# KiCad board Layer0.kicad_pcb (continued)
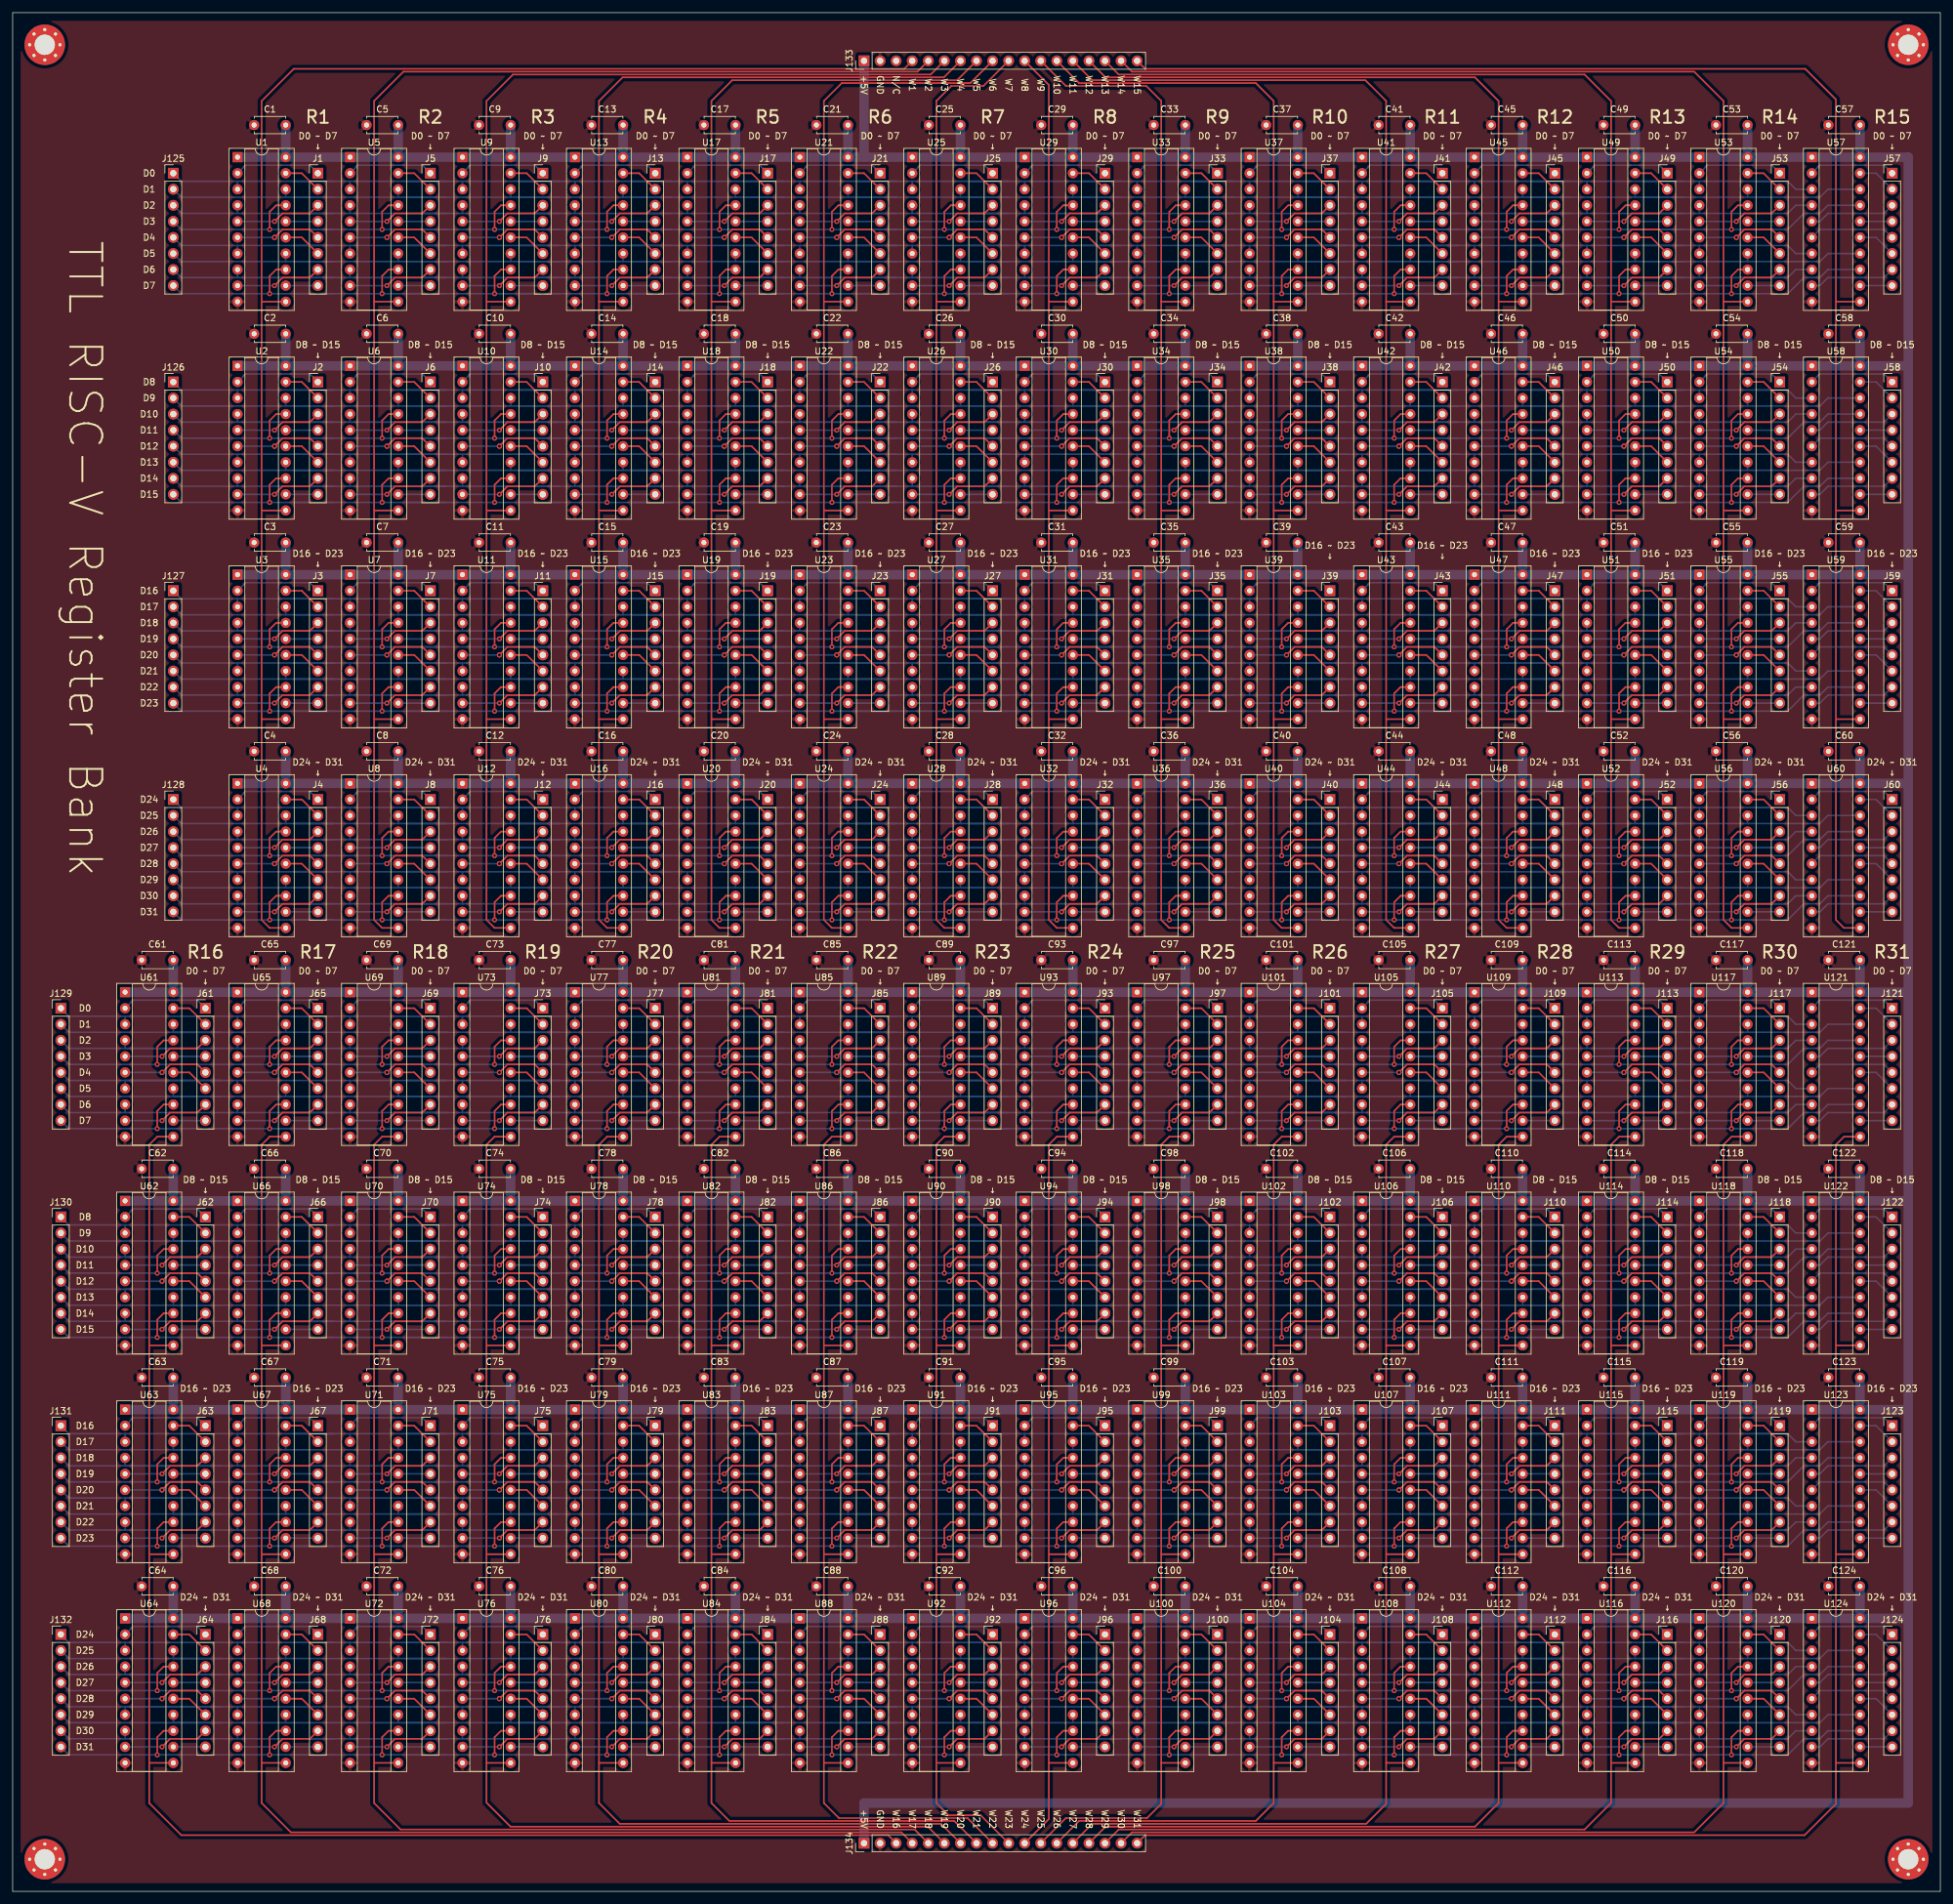
[diagram p0: board, top side]
## Routing (per net, layer and track width the routed paths; a pad name or vN(x,y) marks a point on that pad's centre or on a via; arc(x,y) is an arc through that point) (continued)
  Bottom w0.25: J42.4 U42.16
Net-(J42-Pad5): length 13.8
  Top w0.25: J42.5 224.79,229.87 220.47,229.87 v1(219.2,228.6)
  Bottom w0.25: U42.6 v1(219.2,228.6)
Net-(J42-Pad6): length 6.1
  Top w0.25: U42.15 223.52,228.6 J42.6
Net-(J42-Pad7): length 13.8
  Top w0.25: J42.7 224.79,222.25 220.47,222.25 v1(219.2,220.98)
  Bottom w0.25: U42.9 v1(219.2,220.98)
Net-(J42-Pad8): length 5.1
  Bottom w0.25: U42.12 J42.8
Net-(J43-Pad1): length 13.8
  Bottom w0.25: J43.1 224.79,207.01 214.63,207.01 U43.2
Net-(J43-Pad2): length 6.1
  Top w0.25: J43.2 223.52,205.74 U43.19
Net-(J43-Pad3): length 13.8
  Top w0.25: J43.3 224.79,199.39 220.47,199.39 v1(219.2,198.12)
  Bottom w0.25: U43.5 v1(219.2,198.12)
Net-(J43-Pad4): length 5.1
  Bottom w0.25: J43.4 U43.16
Net-(J43-Pad5): length 13.8
  Top w0.25: J43.5 224.79,196.85 220.47,196.85 v1(219.2,195.58)
  Bottom w0.25: U43.6 v1(219.2,195.58)
Net-(J43-Pad6): length 6.1
  Top w0.25: U43.15 223.52,195.58 J43.6
Net-(J43-Pad7): length 13.8
  Top w0.25: J43.7 224.79,189.23 220.47,189.23 v1(219.2,187.96)
  Bottom w0.25: U43.9 v1(219.2,187.96)
Net-(J43-Pad8): length 5.1
  Bottom w0.25: U43.12 J43.8
Net-(J44-Pad1): length 13.8
  Bottom w0.25: J44.1 224.79,173.99 214.63,173.99 U44.2
Net-(J44-Pad2): length 6.1
  Top w0.25: J44.2 223.52,172.72 U44.19
Net-(J44-Pad3): length 13.8
  Top w0.25: J44.3 224.79,166.37 220.47,166.37 v1(219.2,165.1)
  Bottom w0.25: U44.5 v1(219.2,165.1)
Net-(J44-Pad4): length 5.1
  Bottom w0.25: J44.4 U44.16
Net-(J44-Pad5): length 13.8
  Top w0.25: J44.5 224.79,163.83 220.47,163.83 v1(219.2,162.56)
  Bottom w0.25: U44.6 v1(219.2,162.56)
Net-(J44-Pad6): length 6.1
  Top w0.25: U44.15 223.52,162.56 J44.6
Net-(J44-Pad7): length 13.8
  Top w0.25: J44.7 224.79,156.21 220.47,156.21 v1(219.2,154.94)
  Bottom w0.25: U44.9 v1(219.2,154.94)
Net-(J44-Pad8): length 5.1
  Bottom w0.25: U44.12 J44.8
Net-(J45-Pad1): length 13.8
  Bottom w0.25: U45.2 232.41,273.05 242.57,273.05 J45.1
Net-(J45-Pad2): length 6.1
  Top w0.25: J45.2 241.3,271.78 U45.19
Net-(J45-Pad3): length 13.8
  Top w0.25: J45.3 242.57,265.43 238.25,265.43 v1(236.98,264.16)
  Bottom w0.25: U45.5 v1(236.98,264.16)
Net-(J45-Pad4): length 5.1
  Bottom w0.25: J45.4 U45.16
Net-(J45-Pad5): length 13.8
  Top w0.25: J45.5 242.57,262.89 238.25,262.89 v1(236.98,261.62)
  Bottom w0.25: U45.6 v1(236.98,261.62)
Net-(J45-Pad6): length 6.1
  Top w0.25: U45.15 241.3,261.62 J45.6
Net-(J45-Pad7): length 13.8
  Top w0.25: J45.7 242.57,255.27 238.25,255.27 v1(236.98,254)
  Bottom w0.25: U45.9 v1(236.98,254)
Net-(J45-Pad8): length 5.1
  Bottom w0.25: U45.12 J45.8
Net-(J46-Pad1): length 13.8
  Bottom w0.25: U46.2 232.41,240.03 242.57,240.03 J46.1
Net-(J46-Pad2): length 6.1
  Top w0.25: J46.2 241.3,238.76 U46.19
Net-(J46-Pad3): length 13.8
  Top w0.25: v1(236.98,231.14) 238.25,232.41 242.57,232.41 J46.3
  Bottom w0.25: U46.5 v1(236.98,231.14)
Net-(J46-Pad4): length 5.1
  Bottom w0.25: J46.4 U46.16
Net-(J46-Pad5): length 13.8
  Top w0.25: J46.5 242.57,229.87 238.25,229.87 v1(236.98,228.6)
  Bottom w0.25: U46.6 v1(236.98,228.6)
Net-(J46-Pad6): length 6.1
  Top w0.25: U46.15 241.3,228.6 J46.6
Net-(J46-Pad7): length 13.8
  Top w0.25: J46.7 242.57,222.25 238.25,222.25 v1(236.98,220.98)
  Bottom w0.25: U46.9 v1(236.98,220.98)
Net-(J46-Pad8): length 5.1
  Bottom w0.25: U46.12 J46.8
Net-(J47-Pad1): length 13.8
  Bottom w0.25: U47.2 232.41,207.01 242.57,207.01 J47.1
Net-(J47-Pad2): length 6.1
  Top w0.25: J47.2 241.3,205.74 U47.19
Net-(J47-Pad3): length 13.8
  Top w0.25: v1(236.98,198.12) 238.25,199.39 242.57,199.39 J47.3
  Bottom w0.25: U47.5 v1(236.98,198.12)
Net-(J47-Pad4): length 5.1
  Bottom w0.25: J47.4 U47.16
Net-(J47-Pad5): length 13.8
  Top w0.25: J47.5 242.57,196.85 238.25,196.85 v1(236.98,195.58)
  Bottom w0.25: U47.6 v1(236.98,195.58)
Net-(J47-Pad6): length 6.1
  Top w0.25: U47.15 241.3,195.58 J47.6
Net-(J47-Pad7): length 13.8
  Top w0.25: J47.7 242.57,189.23 238.25,189.23 v1(236.98,187.96)
  Bottom w0.25: U47.9 v1(236.98,187.96)
Net-(J47-Pad8): length 5.1
  Bottom w0.25: U47.12 J47.8
Net-(J48-Pad1): length 13.8
  Bottom w0.25: U48.2 232.41,173.99 242.57,173.99 J48.1
Net-(J48-Pad2): length 6.1
  Top w0.25: J48.2 241.3,172.72 U48.19
Net-(J48-Pad3): length 13.8
  Top w0.25: v1(236.98,165.1) 238.25,166.37 242.57,166.37 J48.3
  Bottom w0.25: U48.5 v1(236.98,165.1)
Net-(J48-Pad4): length 5.1
  Bottom w0.25: J48.4 U48.16
Net-(J48-Pad5): length 13.8
  Top w0.25: J48.5 242.57,163.83 238.25,163.83 v1(236.98,162.56)
  Bottom w0.25: U48.6 v1(236.98,162.56)
Net-(J48-Pad6): length 6.1
  Top w0.25: U48.15 241.3,162.56 J48.6
Net-(J48-Pad7): length 13.8
  Top w0.25: J48.7 242.57,156.21 238.25,156.21 v1(236.98,154.94)
  Bottom w0.25: U48.9 v1(236.98,154.94)
Net-(J48-Pad8): length 5.1
  Bottom w0.25: U48.12 J48.8
Net-(J49-Pad1): length 13.8
  Bottom w0.25: J49.1 260.35,273.05 250.19,273.05 U49.2
Net-(J49-Pad2): length 6.1
  Top w0.25: J49.2 259.08,271.78 U49.19
Net-(J49-Pad3): length 13.8
  Top w0.25: J49.3 260.35,265.43 256.03,265.43 v1(254.76,264.16)
  Bottom w0.25: U49.5 v1(254.76,264.16)
Net-(J49-Pad4): length 5.1
  Bottom w0.25: J49.4 U49.16
Net-(J49-Pad5): length 13.8
  Top w0.25: v1(254.76,261.62) 256.03,262.89 260.35,262.89 J49.5
  Bottom w0.25: U49.6 v1(254.76,261.62)
Net-(J49-Pad6): length 6.1
  Top w0.25: U49.15 259.08,261.62 J49.6
Net-(J49-Pad7): length 13.8
  Top w0.25: v1(254.76,254) 256.03,255.27 260.35,255.27 J49.7
  Bottom w0.25: U49.9 v1(254.76,254)
Net-(J49-Pad8): length 5.1
  Bottom w0.25: U49.12 J49.8
Net-(J50-Pad1): length 13.8
  Bottom w0.25: J50.1 260.35,240.03 250.19,240.03 U50.2
Net-(J50-Pad2): length 6.1
  Top w0.25: J50.2 259.08,238.76 U50.19
Net-(J50-Pad3): length 13.8
  Top w0.25: v1(254.76,231.14) 256.03,232.41 260.35,232.41 J50.3
  Bottom w0.25: U50.5 v1(254.76,231.14)
Net-(J50-Pad4): length 5.1
  Bottom w0.25: J50.4 U50.16
Net-(J50-Pad5): length 13.8
  Top w0.25: J50.5 260.35,229.87 256.03,229.87 v1(254.76,228.6)
  Bottom w0.25: U50.6 v1(254.76,228.6)
Net-(J50-Pad6): length 6.1
  Top w0.25: U50.15 259.08,228.6 J50.6
Net-(J50-Pad7): length 13.8
  Top w0.25: v1(254.76,220.98) 256.03,222.25 260.35,222.25 J50.7
  Bottom w0.25: U50.9 v1(254.76,220.98)
Net-(J50-Pad8): length 5.1
  Bottom w0.25: U50.12 J50.8
Net-(J51-Pad1): length 13.8
  Bottom w0.25: J51.1 260.35,207.01 250.19,207.01 U51.2
Net-(J51-Pad2): length 6.1
  Top w0.25: J51.2 259.08,205.74 U51.19
Net-(J51-Pad3): length 13.8
  Top w0.25: v1(254.76,198.12) 256.03,199.39 260.35,199.39 J51.3
  Bottom w0.25: U51.5 v1(254.76,198.12)
Net-(J51-Pad4): length 5.1
  Bottom w0.25: J51.4 U51.16
Net-(J51-Pad5): length 13.8
  Top w0.25: J51.5 260.35,196.85 256.03,196.85 v1(254.76,195.58)
  Bottom w0.25: U51.6 v1(254.76,195.58)
Net-(J51-Pad6): length 6.1
  Top w0.25: U51.15 259.08,195.58 J51.6
Net-(J51-Pad7): length 13.8
  Top w0.25: v1(254.76,187.96) 256.03,189.23 260.35,189.23 J51.7
  Bottom w0.25: U51.9 v1(254.76,187.96)
Net-(J51-Pad8): length 5.1
  Bottom w0.25: U51.12 J51.8
Net-(J52-Pad1): length 13.8
  Bottom w0.25: J52.1 260.35,173.99 250.19,173.99 U52.2
Net-(J52-Pad2): length 6.1
  Top w0.25: J52.2 259.08,172.72 U52.19
Net-(J52-Pad3): length 13.8
  Top w0.25: v1(254.76,165.1) 256.03,166.37 260.35,166.37 J52.3
  Bottom w0.25: U52.5 v1(254.76,165.1)
Net-(J52-Pad4): length 5.1
  Bottom w0.25: J52.4 U52.16
Net-(J52-Pad5): length 13.8
  Top w0.25: J52.5 260.35,163.83 256.03,163.83 v1(254.76,162.56)
  Bottom w0.25: U52.6 v1(254.76,162.56)
Net-(J52-Pad6): length 6.1
  Top w0.25: U52.15 259.08,162.56 J52.6
Net-(J52-Pad7): length 13.8
  Top w0.25: v1(254.76,154.94) 256.03,156.21 260.35,156.21 J52.7
  Bottom w0.25: U52.9 v1(254.76,154.94)
Net-(J52-Pad8): length 5.1
  Bottom w0.25: U52.12 J52.8
Net-(J53-Pad1): length 13.8
  Bottom w0.25: J53.1 278.13,273.05 267.97,273.05 U53.2
Net-(J53-Pad2): length 6.1
  Top w0.25: J53.2 276.86,271.78 U53.19
Net-(J53-Pad3): length 13.8
  Top w0.25: J53.3 278.13,265.43 273.81,265.43 v1(272.54,264.16)
  Bottom w0.25: U53.5 v1(272.54,264.16)
Net-(J53-Pad4): length 5.1
  Bottom w0.25: J53.4 U53.16
Net-(J53-Pad5): length 13.8
  Top w0.25: v1(272.54,261.62) 273.81,262.89 278.13,262.89 J53.5
  Bottom w0.25: U53.6 v1(272.54,261.62)
Net-(J53-Pad6): length 6.1
  Top w0.25: U53.15 276.86,261.62 J53.6
Net-(J53-Pad7): length 13.8
  Top w0.25: J53.7 278.13,255.27 273.81,255.27 v1(272.54,254)
  Bottom w0.25: U53.9 v1(272.54,254)
Net-(J53-Pad8): length 5.1
  Bottom w0.25: U53.12 J53.8
Net-(J54-Pad1): length 13.8
  Bottom w0.25: J54.1 278.13,240.03 267.97,240.03 U54.2
Net-(J54-Pad2): length 6.1
  Top w0.25: U54.19 276.86,238.76 J54.2
Net-(J54-Pad3): length 13.8
  Top w0.25: v1(272.54,231.14) 273.81,232.41 278.13,232.41 J54.3
  Bottom w0.25: U54.5 v1(272.54,231.14)
Net-(J54-Pad4): length 5.1
  Bottom w0.25: J54.4 U54.16
Net-(J54-Pad5): length 13.8
  Top w0.25: v1(272.54,228.6) 273.81,229.87 278.13,229.87 J54.5
  Bottom w0.25: U54.6 v1(272.54,228.6)
Net-(J54-Pad6): length 6.1
  Top w0.25: U54.15 276.86,228.6 J54.6
Net-(J54-Pad7): length 13.8
  Top w0.25: J54.7 278.13,222.25 273.81,222.25 v1(272.54,220.98)
  Bottom w0.25: U54.9 v1(272.54,220.98)
Net-(J54-Pad8): length 5.1
  Bottom w0.25: U54.12 J54.8
Net-(J55-Pad1): length 13.8
  Bottom w0.25: J55.1 278.13,207.01 267.97,207.01 U55.2
Net-(J55-Pad2): length 6.1
  Top w0.25: U55.19 276.86,205.74 J55.2
Net-(J55-Pad3): length 13.8
  Top w0.25: v1(272.54,198.12) 273.81,199.39 278.13,199.39 J55.3
  Bottom w0.25: U55.5 v1(272.54,198.12)
Net-(J55-Pad4): length 5.1
  Bottom w0.25: J55.4 U55.16
Net-(J55-Pad5): length 13.8
  Top w0.25: v1(272.54,195.58) 273.81,196.85 278.13,196.85 J55.5
  Bottom w0.25: U55.6 v1(272.54,195.58)
Net-(J55-Pad6): length 6.1
  Top w0.25: U55.15 276.86,195.58 J55.6
Net-(J55-Pad7): length 13.8
  Top w0.25: J55.7 278.13,189.23 273.81,189.23 v1(272.54,187.96)
  Bottom w0.25: U55.9 v1(272.54,187.96)
Net-(J55-Pad8): length 5.1
  Bottom w0.25: U55.12 J55.8
Net-(J56-Pad1): length 13.8
  Bottom w0.25: J56.1 278.13,173.99 267.97,173.99 U56.2
Net-(J56-Pad2): length 6.1
  Top w0.25: U56.19 276.86,172.72 J56.2
Net-(J56-Pad3): length 13.8
  Top w0.25: v1(272.54,165.1) 273.81,166.37 278.13,166.37 J56.3
  Bottom w0.25: U56.5 v1(272.54,165.1)
Net-(J56-Pad4): length 5.1
  Bottom w0.25: J56.4 U56.16
Net-(J56-Pad5): length 13.8
  Top w0.25: v1(272.54,162.56) 273.81,163.83 278.13,163.83 J56.5
  Bottom w0.25: U56.6 v1(272.54,162.56)
Net-(J56-Pad6): length 6.1
  Top w0.25: U56.15 276.86,162.56 J56.6
Net-(J56-Pad7): length 13.8
  Top w0.25: J56.7 278.13,156.21 273.81,156.21 v1(272.54,154.94)
  Bottom w0.25: U56.9 v1(272.54,154.94)
Net-(J56-Pad8): length 5.1
  Bottom w0.25: U56.12 J56.8
Net-(J57-Pad1): length 13.8
  Bottom w0.25: J57.1 295.91,273.05 285.75,273.05 U57.2
Net-(J57-Pad2): length 6.1
  Bottom w0.25: J57.2 294.64,271.78 U57.19
Net-(J57-Pad3): length 13.8
  Bottom w0.25: J57.3 295.91,265.43 287.02,265.43 285.75,264.16 U57.5
Net-(J57-Pad4): length 5.1
  Bottom w0.25: J57.4 U57.16
Net-(J57-Pad5): length 13.8
  Bottom w0.25: U57.6 285.75,262.89 295.91,262.89 J57.5
Net-(J57-Pad6): length 6.1
  Bottom w0.25: U57.15 294.64,261.62 J57.6
Net-(J57-Pad7): length 13.8
  Bottom w0.25: J57.7 295.91,255.27 287.02,255.27 285.75,254 U57.9
Net-(J57-Pad8): length 5.1
  Bottom w0.25: U57.12 J57.8
Net-(J58-Pad1): length 13.8
  Bottom w0.25: J58.1 295.91,240.03 285.75,240.03 U58.2
Net-(J58-Pad2): length 6.1
  Bottom w0.25: J58.2 294.64,238.76 U58.19
Net-(J58-Pad3): length 13.8
  Bottom w0.25: U58.5 285.75,231.14 287.02,232.41 295.91,232.41 J58.3
Net-(J58-Pad4): length 5.1
  Bottom w0.25: J58.4 U58.16
Net-(J58-Pad5): length 13.8
  Bottom w0.25: J58.5 295.91,229.87 285.75,229.87 U58.6
Net-(J58-Pad6): length 6.1
  Bottom w0.25: U58.15 294.64,228.6 J58.6
Net-(J58-Pad7): length 13.8
  Bottom w0.25: J58.7 295.91,222.25 287.02,222.25 285.75,220.98 U58.9
Net-(J58-Pad8): length 5.1
  Bottom w0.25: U58.12 J58.8
Net-(J59-Pad1): length 13.8
  Bottom w0.25: J59.1 295.91,207.01 285.75,207.01 U59.2
Net-(J59-Pad2): length 6.1
  Bottom w0.25: J59.2 294.64,205.74 U59.19
Net-(J59-Pad3): length 13.8
  Bottom w0.25: U59.5 285.75,198.12 287.02,199.39 295.91,199.39 J59.3
Net-(J59-Pad4): length 5.1
  Bottom w0.25: J59.4 U59.16
Net-(J59-Pad5): length 13.8
  Bottom w0.25: J59.5 295.91,196.85 285.75,196.85 U59.6
Net-(J59-Pad6): length 6.1
  Bottom w0.25: U59.15 294.64,195.58 J59.6
Net-(J59-Pad7): length 13.8
  Bottom w0.25: J59.7 295.91,189.23 287.02,189.23 285.75,187.96 U59.9
Net-(J59-Pad8): length 5.1
  Bottom w0.25: U59.12 J59.8
Net-(J60-Pad1): length 13.8
  Bottom w0.25: J60.1 295.91,173.99 285.75,173.99 U60.2
Net-(J60-Pad2): length 6.1
  Bottom w0.25: J60.2 294.64,172.72 U60.19
Net-(J60-Pad3): length 13.8
  Bottom w0.25: U60.5 285.75,165.1 287.02,166.37 295.91,166.37 J60.3
Net-(J60-Pad4): length 5.1
  Bottom w0.25: J60.4 U60.16
Net-(J60-Pad5): length 13.8
  Bottom w0.25: J60.5 295.91,163.83 285.75,163.83 U60.6
Net-(J60-Pad6): length 6.1
  Bottom w0.25: U60.15 294.64,162.56 J60.6
Net-(J60-Pad7): length 13.8
  Bottom w0.25: J60.7 295.91,156.21 287.02,156.21 285.75,154.94 U60.9
Net-(J60-Pad8): length 5.1
  Bottom w0.25: U60.12 J60.8
Net-(J61-Pad1): length 13.8
  Bottom w0.25: J61.1 29.21,140.97 19.05,140.97 U61.2
Net-(J61-Pad2): length 6.1
  Top w0.25: U61.19 27.94,139.7 J61.2
Net-(J61-Pad3): length 13.8
  Top w0.25: v1(23.62,132.08) 24.89,133.35 29.21,133.35 J61.3
  Bottom w0.25: U61.5 v1(23.62,132.08)
Net-(J61-Pad4): length 5.1
  Bottom w0.25: J61.4 U61.16
Net-(J61-Pad5): length 13.8
  Top w0.25: J61.5 29.21,130.81 24.89,130.81 v1(23.62,129.54)
  Bottom w0.25: U61.6 v1(23.62,129.54)
Net-(J61-Pad6): length 6.1
  Top w0.25: J61.6 27.94,129.54 U61.15
Net-(J61-Pad7): length 13.8
  Top w0.25: J61.7 29.21,123.19 24.89,123.19 v1(23.62,121.92)
  Bottom w0.25: U61.9 v1(23.62,121.92)
Net-(J61-Pad8): length 5.1
  Bottom w0.25: U61.12 J61.8
Net-(J62-Pad1): length 13.8
  Bottom w0.25: U62.2 19.05,107.95 29.21,107.95 J62.1
Net-(J62-Pad2): length 6.1
  Top w0.25: J62.2 27.94,106.68 U62.19
Net-(J62-Pad3): length 13.8
  Top w0.25: v1(23.62,99.06) 24.89,100.33 29.21,100.33 J62.3
  Bottom w0.25: U62.5 v1(23.62,99.06)
Net-(J62-Pad4): length 5.1
  Bottom w0.25: J62.4 U62.16
Net-(J62-Pad5): length 13.8
  Top w0.25: v1(23.62,96.52) 24.89,97.79 29.21,97.79 J62.5
  Bottom w0.25: U62.6 v1(23.62,96.52)
Net-(J62-Pad6): length 6.1
  Top w0.25: U62.15 27.94,96.52 J62.6
Net-(J62-Pad7): length 13.8
  Top w0.25: v1(23.62,88.9) 24.89,90.17 29.21,90.17 J62.7
  Bottom w0.25: U62.9 v1(23.62,88.9)
Net-(J62-Pad8): length 5.1
  Bottom w0.25: U62.12 J62.8
Net-(J63-Pad1): length 13.8
  Bottom w0.25: U63.2 19.05,74.93 29.21,74.93 J63.1
Net-(J63-Pad2): length 6.1
  Top w0.25: J63.2 27.94,73.66 U63.19
Net-(J63-Pad3): length 13.8
  Top w0.25: v1(23.62,66.04) 24.89,67.31 29.21,67.31 J63.3
  Bottom w0.25: U63.5 v1(23.62,66.04)
Net-(J63-Pad4): length 5.1
  Bottom w0.25: J63.4 U63.16
Net-(J63-Pad5): length 13.8
  Top w0.25: v1(23.62,63.5) 24.89,64.77 29.21,64.77 J63.5
  Bottom w0.25: U63.6 v1(23.62,63.5)
Net-(J63-Pad6): length 6.1
  Top w0.25: U63.15 27.94,63.5 J63.6
Net-(J63-Pad7): length 13.8
  Top w0.25: v1(23.62,55.88) 24.89,57.15 29.21,57.15 J63.7
  Bottom w0.25: U63.9 v1(23.62,55.88)
Net-(J63-Pad8): length 5.1
  Bottom w0.25: U63.12 J63.8
Net-(J64-Pad1): length 13.8
  Bottom w0.25: U64.2 19.05,41.91 29.21,41.91 J64.1
Net-(J64-Pad2): length 6.1
  Top w0.25: J64.2 27.94,40.64 U64.19
Net-(J64-Pad3): length 13.8
  Top w0.25: v1(23.62,33.02) 24.89,34.29 29.21,34.29 J64.3
  Bottom w0.25: U64.5 v1(23.62,33.02)
Net-(J64-Pad4): length 5.1
  Bottom w0.25: J64.4 U64.16
Net-(J64-Pad5): length 13.8
  Top w0.25: v1(23.62,30.48) 24.89,31.75 29.21,31.75 J64.5
  Bottom w0.25: U64.6 v1(23.62,30.48)
Net-(J64-Pad6): length 6.1
  Top w0.25: U64.15 27.94,30.48 J64.6
Net-(J64-Pad7): length 13.8
  Top w0.25: v1(23.62,22.86) 24.89,24.13 29.21,24.13 J64.7
  Bottom w0.25: U64.9 v1(23.62,22.86)
Net-(J64-Pad8): length 5.1
  Bottom w0.25: U64.12 J64.8
Net-(J65-Pad1): length 13.8
  Bottom w0.25: J65.1 46.99,140.97 36.83,140.97 U65.2
Net-(J65-Pad2): length 6.1
  Top w0.25: J65.2 45.72,139.7 U65.19
Net-(J65-Pad3): length 13.8
  Top w0.25: J65.3 46.99,133.35 42.67,133.35 v1(41.4,132.08)
  Bottom w0.25: U65.5 v1(41.4,132.08)
Net-(J65-Pad4): length 5.1
  Bottom w0.25: J65.4 U65.16
Net-(J65-Pad5): length 13.8
  Top w0.25: v1(41.4,129.54) 42.67,130.81 46.99,130.81 J65.5
  Bottom w0.25: U65.6 v1(41.4,129.54)
Net-(J65-Pad6): length 6.1
  Top w0.25: U65.15 45.72,129.54 J65.6
Net-(J65-Pad7): length 13.8
  Top w0.25: v1(41.4,121.92) 42.67,123.19 46.99,123.19 J65.7
  Bottom w0.25: U65.9 v1(41.4,121.92)
Net-(J65-Pad8): length 5.1
  Bottom w0.25: U65.12 J65.8
Net-(J66-Pad1): length 13.8
  Bottom w0.25: J66.1 46.99,107.95 36.83,107.95 U66.2
Net-(J66-Pad2): length 6.1
  Top w0.25: U66.19 45.72,106.68 J66.2
Net-(J66-Pad3): length 13.8
  Top w0.25: J66.3 46.99,100.33 42.67,100.33 v1(41.4,99.06)
  Bottom w0.25: U66.5 v1(41.4,99.06)
Net-(J66-Pad4): length 5.1
  Bottom w0.25: J66.4 U66.16
Net-(J66-Pad5): length 13.8
  Top w0.25: v1(41.4,96.52) 42.67,97.79 46.99,97.79 J66.5
  Bottom w0.25: U66.6 v1(41.4,96.52)
Net-(J66-Pad6): length 6.1
  Top w0.25: U66.15 45.72,96.52 J66.6
Net-(J66-Pad7): length 13.8
  Top w0.25: v1(41.4,88.9) 42.67,90.17 46.99,90.17 J66.7
  Bottom w0.25: U66.9 v1(41.4,88.9)
Net-(J66-Pad8): length 5.1
  Bottom w0.25: U66.12 J66.8
Net-(J67-Pad1): length 13.8
  Bottom w0.25: J67.1 46.99,74.93 36.83,74.93 U67.2
Net-(J67-Pad2): length 6.1
  Top w0.25: U67.19 45.72,73.66 J67.2
Net-(J67-Pad3): length 13.8
  Top w0.25: J67.3 46.99,67.31 42.67,67.31 v1(41.4,66.04)
  Bottom w0.25: U67.5 v1(41.4,66.04)
Net-(J67-Pad4): length 5.1
  Bottom w0.25: J67.4 U67.16
Net-(J67-Pad5): length 13.8
  Top w0.25: v1(41.4,63.5) 42.67,64.77 46.99,64.77 J67.5
  Bottom w0.25: U67.6 v1(41.4,63.5)
Net-(J67-Pad6): length 6.1
  Top w0.25: U67.15 45.72,63.5 J67.6
Net-(J67-Pad7): length 13.8
  Top w0.25: v1(41.4,55.88) 42.67,57.15 46.99,57.15 J67.7
  Bottom w0.25: U67.9 v1(41.4,55.88)
Net-(J67-Pad8): length 5.1
  Bottom w0.25: U67.12 J67.8
Net-(J68-Pad1): length 13.8
  Bottom w0.25: J68.1 46.99,41.91 36.83,41.91 U68.2
Net-(J68-Pad2): length 6.1
  Top w0.25: U68.19 45.72,40.64 J68.2
Net-(J68-Pad3): length 13.8
  Top w0.25: J68.3 46.99,34.29 42.67,34.29 v1(41.4,33.02)
  Bottom w0.25: U68.5 v1(41.4,33.02)
Net-(J68-Pad4): length 5.1
  Bottom w0.25: J68.4 U68.16
Net-(J68-Pad5): length 13.8
  Top w0.25: v1(41.4,30.48) 42.67,31.75 46.99,31.75 J68.5
  Bottom w0.25: U68.6 v1(41.4,30.48)
Net-(J68-Pad6): length 6.1
  Top w0.25: U68.15 45.72,30.48 J68.6
Net-(J68-Pad7): length 13.8
  Top w0.25: v1(41.4,22.86) 42.67,24.13 46.99,24.13 J68.7
  Bottom w0.25: U68.9 v1(41.4,22.86)
Net-(J68-Pad8): length 5.1
  Bottom w0.25: U68.12 J68.8
Net-(J69-Pad1): length 13.8
  Bottom w0.25: J69.1 64.77,140.97 54.61,140.97 U69.2
Net-(J69-Pad2): length 6.1
  Top w0.25: J69.2 63.5,139.7 U69.19
Net-(J69-Pad3): length 13.8
  Top w0.25: J69.3 64.77,133.35 60.45,133.35 v1(59.18,132.08)
  Bottom w0.25: U69.5 v1(59.18,132.08)
Net-(J69-Pad4): length 5.1
  Bottom w0.25: J69.4 U69.16
Net-(J69-Pad5): length 13.8
  Top w0.25: v1(59.18,129.54) 60.45,130.81 64.77,130.81 J69.5
  Bottom w0.25: U69.6 v1(59.18,129.54)
Net-(J69-Pad6): length 6.1
  Top w0.25: U69.15 63.5,129.54 J69.6
Net-(J69-Pad7): length 13.8
  Top w0.25: J69.7 64.77,123.19 60.45,123.19 v1(59.18,121.92)
  Bottom w0.25: U69.9 v1(59.18,121.92)
Net-(J69-Pad8): length 5.1
  Bottom w0.25: U69.12 J69.8
Net-(J70-Pad1): length 13.8
  Bottom w0.25: J70.1 64.77,107.95 54.61,107.95 U70.2
Net-(J70-Pad2): length 6.1
  Top w0.25: U70.19 63.5,106.68 J70.2
Net-(J70-Pad3): length 13.8
  Top w0.25: v1(59.18,99.06) 60.45,100.33 64.77,100.33 J70.3
  Bottom w0.25: U70.5 v1(59.18,99.06)
Net-(J70-Pad4): length 5.1
  Bottom w0.25: J70.4 U70.16
Net-(J70-Pad5): length 13.8
  Top w0.25: J70.5 64.77,97.79 60.45,97.79 v1(59.18,96.52)
  Bottom w0.25: U70.6 v1(59.18,96.52)
Net-(J70-Pad6): length 6.1
  Top w0.25: J70.6 63.5,96.52 U70.15
Net-(J70-Pad7): length 13.8
  Top w0.25: J70.7 64.77,90.17 60.45,90.17 v1(59.18,88.9)
  Bottom w0.25: U70.9 v1(59.18,88.9)
Net-(J70-Pad8): length 5.1
  Bottom w0.25: U70.12 J70.8
Net-(J71-Pad1): length 13.8
  Bottom w0.25: J71.1 64.77,74.93 54.61,74.93 U71.2
Net-(J71-Pad2): length 6.1
  Top w0.25: U71.19 63.5,73.66 J71.2
Net-(J71-Pad3): length 13.8
  Top w0.25: v1(59.18,66.04) 60.45,67.31 64.77,67.31 J71.3
  Bottom w0.25: U71.5 v1(59.18,66.04)
Net-(J71-Pad4): length 5.1
  Bottom w0.25: J71.4 U71.16
Net-(J71-Pad5): length 13.8
  Top w0.25: J71.5 64.77,64.77 60.45,64.77 v1(59.18,63.5)
  Bottom w0.25: U71.6 v1(59.18,63.5)
Net-(J71-Pad6): length 6.1
  Top w0.25: J71.6 63.5,63.5 U71.15
Net-(J71-Pad7): length 13.8
  Top w0.25: J71.7 64.77,57.15 60.45,57.15 v1(59.18,55.88)
  Bottom w0.25: U71.9 v1(59.18,55.88)
Net-(J71-Pad8): length 5.1
  Bottom w0.25: U71.12 J71.8
Net-(J72-Pad1): length 13.8
  Bottom w0.25: J72.1 64.77,41.91 54.61,41.91 U72.2
Net-(J72-Pad2): length 6.1
  Top w0.25: U72.19 63.5,40.64 J72.2
Net-(J72-Pad3): length 13.8
  Top w0.25: v1(59.18,33.02) 60.45,34.29 64.77,34.29 J72.3
  Bottom w0.25: U72.5 v1(59.18,33.02)
Net-(J72-Pad4): length 5.1
  Bottom w0.25: J72.4 U72.16
Net-(J72-Pad5): length 13.8
  Top w0.25: J72.5 64.77,31.75 60.45,31.75 v1(59.18,30.48)
  Bottom w0.25: U72.6 v1(59.18,30.48)
Net-(J72-Pad6): length 6.1
  Top w0.25: J72.6 63.5,30.48 U72.15
Net-(J72-Pad7): length 13.8
  Top w0.25: J72.7 64.77,24.13 60.45,24.13 v1(59.18,22.86)
  Bottom w0.25: U72.9 v1(59.18,22.86)
Net-(J72-Pad8): length 5.1
  Bottom w0.25: U72.12 J72.8
Net-(J73-Pad1): length 13.8
  Bottom w0.25: J73.1 82.55,140.97 72.39,140.97 U73.2
Net-(J73-Pad2): length 6.1
  Top w0.25: J73.2 81.28,139.7 U73.19
Net-(J73-Pad3): length 13.8
  Top w0.25: J73.3 82.55,133.35 78.23,133.35 v1(76.96,132.08)
  Bottom w0.25: U73.5 v1(76.96,132.08)
Net-(J73-Pad4): length 5.1
  Bottom w0.25: J73.4 U73.16
Net-(J73-Pad5): length 13.8
  Top w0.25: J73.5 82.55,130.81 78.23,130.81 v1(76.96,129.54)
  Bottom w0.25: U73.6 v1(76.96,129.54)
Net-(J73-Pad6): length 6.1
  Top w0.25: U73.15 81.28,129.54 J73.6
Net-(J73-Pad7): length 13.8
  Top w0.25: J73.7 82.55,123.19 78.23,123.19 v1(76.96,121.92)
  Bottom w0.25: U73.9 v1(76.96,121.92)
Net-(J73-Pad8): length 5.1
  Bottom w0.25: U73.12 J73.8
Net-(J74-Pad1): length 13.8
  Bottom w0.25: J74.1 82.55,107.95 72.39,107.95 U74.2
Net-(J74-Pad2): length 6.1
  Top w0.25: J74.2 81.28,106.68 U74.19
Net-(J74-Pad3): length 13.8
  Top w0.25: v1(76.96,99.06) 78.23,100.33 82.55,100.33 J74.3
  Bottom w0.25: U74.5 v1(76.96,99.06)
Net-(J74-Pad4): length 5.1
  Bottom w0.25: J74.4 U74.16
Net-(J74-Pad5): length 13.8
  Top w0.25: J74.5 82.55,97.79 78.23,97.79 v1(76.96,96.52)
  Bottom w0.25: U74.6 v1(76.96,96.52)
Net-(J74-Pad6): length 6.1
  Top w0.25: J74.6 81.28,96.52 U74.15
Net-(J74-Pad7): length 13.8
  Top w0.25: J74.7 82.55,90.17 78.23,90.17 v1(76.96,88.9)
  Bottom w0.25: U74.9 v1(76.96,88.9)
Net-(J74-Pad8): length 5.1
  Bottom w0.25: U74.12 J74.8
Net-(J75-Pad1): length 13.8
  Bottom w0.25: J75.1 82.55,74.93 72.39,74.93 U75.2
Net-(J75-Pad2): length 6.1
  Top w0.25: J75.2 81.28,73.66 U75.19
Net-(J75-Pad3): length 13.8
  Top w0.25: v1(76.96,66.04) 78.23,67.31 82.55,67.31 J75.3
  Bottom w0.25: U75.5 v1(76.96,66.04)
Net-(J75-Pad4): length 5.1
  Bottom w0.25: J75.4 U75.16
Net-(J75-Pad5): length 13.8
  Top w0.25: J75.5 82.55,64.77 78.23,64.77 v1(76.96,63.5)
  Bottom w0.25: U75.6 v1(76.96,63.5)
Net-(J75-Pad6): length 6.1
  Top w0.25: J75.6 81.28,63.5 U75.15
Net-(J75-Pad7): length 13.8
  Top w0.25: J75.7 82.55,57.15 78.23,57.15 v1(76.96,55.88)
  Bottom w0.25: U75.9 v1(76.96,55.88)
Net-(J75-Pad8): length 5.1
  Bottom w0.25: U75.12 J75.8
Net-(J76-Pad1): length 13.8
  Bottom w0.25: J76.1 82.55,41.91 72.39,41.91 U76.2
Net-(J76-Pad2): length 6.1
  Top w0.25: J76.2 81.28,40.64 U76.19
Net-(J76-Pad3): length 13.8
  Top w0.25: v1(76.96,33.02) 78.23,34.29 82.55,34.29 J76.3
  Bottom w0.25: U76.5 v1(76.96,33.02)
Net-(J76-Pad4): length 5.1
  Bottom w0.25: J76.4 U76.16
Net-(J76-Pad5): length 13.8
  Top w0.25: J76.5 82.55,31.75 78.23,31.75 v1(76.96,30.48)
  Bottom w0.25: U76.6 v1(76.96,30.48)
Net-(J76-Pad6): length 6.1
  Top w0.25: J76.6 81.28,30.48 U76.15
Net-(J76-Pad7): length 13.8
  Top w0.25: J76.7 82.55,24.13 78.23,24.13 v1(76.96,22.86)
  Bottom w0.25: U76.9 v1(76.96,22.86)
Net-(J76-Pad8): length 5.1
  Bottom w0.25: U76.12 J76.8
Net-(J77-Pad1): length 13.8
  Bottom w0.25: U77.2 90.17,140.97 100.33,140.97 J77.1
Net-(J77-Pad2): length 6.1
  Top w0.25: J77.2 99.06,139.7 U77.19
Net-(J77-Pad3): length 13.8
  Top w0.25: J77.3 100.33,133.35 96.01,133.35 v1(94.74,132.08)
  Bottom w0.25: U77.5 v1(94.74,132.08)
Net-(J77-Pad4): length 5.1
  Bottom w0.25: J77.4 U77.16
Net-(J77-Pad5): length 13.8
  Top w0.25: J77.5 100.33,130.81 96.01,130.81 v1(94.74,129.54)
  Bottom w0.25: U77.6 v1(94.74,129.54)
Net-(J77-Pad6): length 6.1
  Top w0.25: U77.15 99.06,129.54 J77.6
Net-(J77-Pad7): length 13.8
  Top w0.25: J77.7 100.33,123.19 96.01,123.19 v1(94.74,121.92)
  Bottom w0.25: U77.9 v1(94.74,121.92)
Net-(J77-Pad8): length 5.1
  Bottom w0.25: U77.12 J77.8
Net-(J78-Pad1): length 13.8
  Bottom w0.25: U78.2 90.17,107.95 100.33,107.95 J78.1
